# Altium PCB PrototypeSingle.PcbDoc (part 2 of 3) (continued)
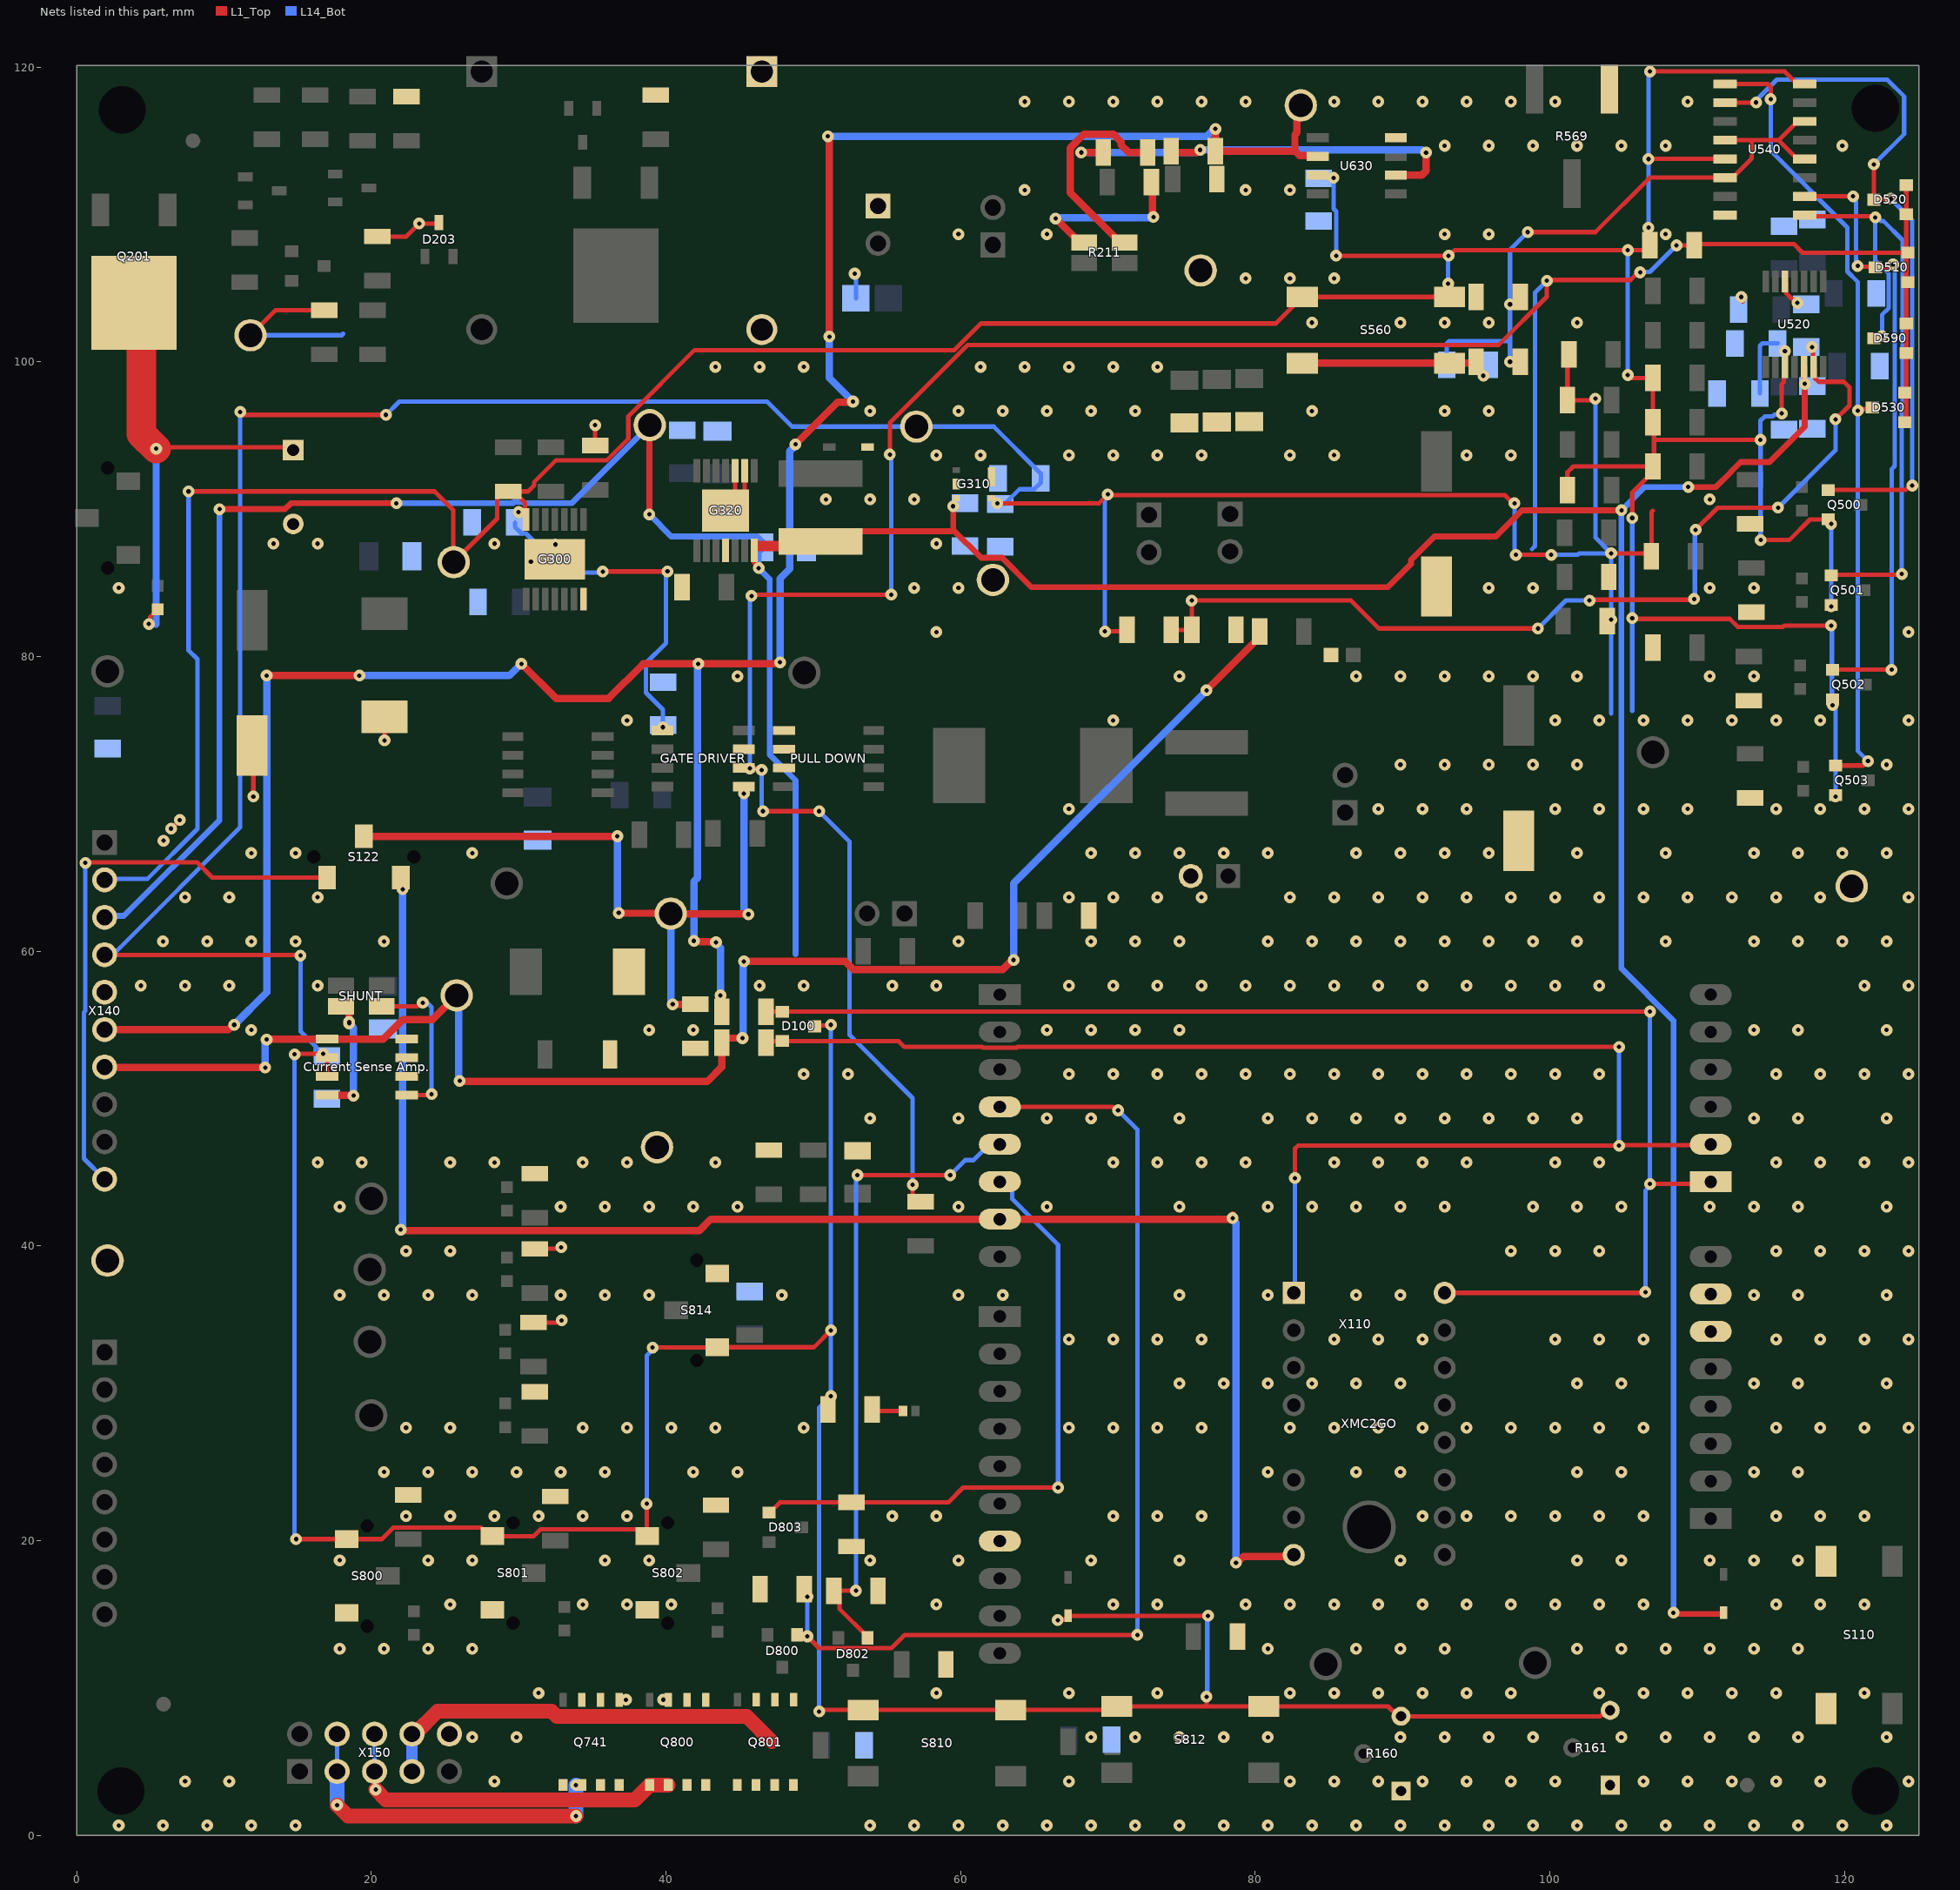
[diagram p2: the nets of this part, all layers, seen from the top]
## Part data (continued)
R100 R101 R102 R122 R204 R506 R507 R528: library part 354752, "RES / STD / 100k / 250mW / 1% / 100ppm/K / -55°C to 155°C / 1206(3216) / SMD / -", Legacy PartNumber=RES01802971, Manufacturer=Vishay, Package Imperial=1206, Package Metric=3216, Temperature max=155, Temperature min=-55, Temperature Range=Military, Tolerance Neg=1%, Voltage DC (max)=200V, Alternate View=Yes, Article Number=354752, Automotive Qualified="AEC Q200", Combined Parameters=TCR:100ppm/K;Tol.:-1%/+1%;Vdc:200V;Idc:-;P:250mW, ComponentLink1Description="Vendor WebSite", ComponentLink1URL=http://www.vishay.com, ComponentLink2Description=Datasheet, ComponentLink2URL=http://webnetprod.muc.infineon.com/PCBPortal_Prod/WorkFlows/AltiumComponent/StandardDocumentation?Versionid=354753, ComponentStatus=Released, Legacy DeviceID=RES01802971, Manufacturer Order Number=CRCW1206100KFK, Multiple Parts=No, PackageReference="1206 (3216)", Part Type=Resistor, PLMStatus=Active, QuickPick="100k / 1% / 0.25 / 1206 (3216)", RoHS Compliant=Y, Second Source allowed=Yes, Style=Single, Supplier 1=Farnell, Supplier 2=DigiKey, Supplier 3=Mouser, Symbol Type="Resistor; Single; Standard; 2 Pins", Technology="Thick Film", Tolerance Pos=1%, Type=Standard, Version Number=V01
R110 R111 R112 R200 R202 R203 R205 R209 R320 R564: library part 354562, "RES / STD / 47k / 250mW / 1% / 100ppm/K / -55°C to 155°C / 1206(3216) / SMD / -", Legacy PartNumber=RES01802933, Manufacturer=Vishay, Package Imperial=1206, Package Metric=3216, Temperature max=155, Temperature min=-55, Temperature Range=Military, Tolerance Neg=1%, Voltage DC (max)=200V, Alternate View=Yes, Article Number=354562, Automotive Qualified="AEC Q200", Combined Parameters=TCR:100ppm/K;Tol.:-1%/+1%;Vdc:200V;Idc:-;P:250mW, ComponentLink1Description="Vendor WebSite", ComponentLink1URL=http://www.vishay.com, ComponentLink2Description=Datasheet, ComponentLink2URL=http://webnetprod.muc.infineon.com/PCBPortal_Prod/WorkFlows/AltiumComponent/StandardDocumentation?Versionid=354563, ComponentStatus=Released, Legacy DeviceID=RES01802933, Manufacturer Order Number=CRCW120647K0FK, Multiple Parts=No, PackageReference="1206 (3216)", Part Type=Resistor, PLMStatus=Active, QuickPick="47k / 1% / 0.25 / 1206 (3216)", RoHS Compliant=Y, Second Source allowed=Yes, Style=Single, Supplier 1=Farnell, Supplier 2=DigiKey, Supplier 3=Mouser, Symbol Type="Resistor; Single; Standard; 2 Pins", Technology="Thick Film", Tolerance Pos=1%, Type=Standard, Version Number=V01
R160 R161: library part 647233, "RES / VAR / 10k / 500mW / 10% / 100ppm/K / -55°C to 125°C / Potentiometer, THT, 2.54 mm pitch, 3 pin, 6.60 mm L X 6.99 mm W X 15.06 mm H body / THT / -", Manufacturer=Bourns, Package Description="Potentiometer, THT, 2.54 mm pitch, 3 pin, 6.60 mm L X 6.99 mm W X 15.06 mm H body", Supplier Part Number 1=1739325, Temperature max=125, Temperature min=-55, Temperature Range=Military, Tolerance Neg=10%, Voltage DC (max)=300V, Alternate View=Yes, Application=Standard, Article Number=647233, Automotive Qualified=No, Combined Parameters=TCR:100ppm/K;Tol.:-10%/+10%;Vdc:300V;Idc:-;P:500mW, ComponentLink1Description="Vendor WebSite", ComponentLink1URL=http://www.bourns.com, ComponentLink2Description=Datasheet, ComponentLink2URL=http://webnetprod.muc.infineon.com/PCBPortal_Prod/WorkFlows/AltiumComponent/StandardDocumentation?Versionid=647234, ComponentStatus=Released, Manufacturer Order Number=3362P-1-103T_LF, Multiple Parts=No, PackageReference=THT, Part Type=Resistor, PLMStatus=Active, QuickPick="10k / 10% / 0.5 / THT", RoHS Compliant=Y, Second Source allowed=Yes, Style=Single, Supplier 1=Farnell, Supplier 2=DigiKey, Supplier 3=Mouser, Supplier Part Number 2=3362P-103TLF-ND, Supplier Part Number 3=652-3362P-1-103TLF, Symbol Type="Resistor; Single; Variable; 3 Pins", Tolerance Pos=10%, Type=Variable, Version Number=V01
R170 R400 R401 R720: library part 352637, "RES / STD / 20.5R / 250mW / 1% / 100ppm/K / -55°C to 155°C / 1206(3216) / SMD / -", Legacy PartNumber=RES01802548, Manufacturer=Vishay, Package Imperial=1206, Package Metric=3216, Temperature max=155, Temperature min=-55, Temperature Range=Military, Tolerance Neg=1%, Voltage DC (max)=200V, Alternate View=Yes, Article Number=352637, Automotive Qualified="AEC Q200", Combined Parameters=TCR:100ppm/K;Tol.:-1%/+1%;Vdc:200V;Idc:-;P:250mW, ComponentLink1Description="Vendor WebSite", ComponentLink1URL=http://www.vishay.com, ComponentLink2Description=Datasheet, ComponentLink2URL=http://webnetprod.muc.infineon.com/PCBPortal_Prod/WorkFlows/AltiumComponent/StandardDocumentation?Versionid=352638, ComponentStatus=Released, Legacy DeviceID=RES01802548, Manufacturer Order Number=CRCW120620R5FK, Multiple Parts=No, PackageReference="1206 (3216)", Part Type=Resistor, PLMStatus=Active, QuickPick="20.5R / 1% / 0.25 / 1206 (3216)", RoHS Compliant=Y, Second Source allowed=Yes, Style=Single, Supplier 1=Farnell, Supplier 2=DigiKey, Supplier 3=Mouser, Symbol Type="Resistor; Single; Standard; 2 Pins", Technology="Thick Film", Tolerance Pos=1%, Type=Standard, Version Number=V01
R210 R212 R220 R301 R504 R510 R511 R551 R552 R553 R554 R560 R721 R814: library part 354312, "RES / STD / 17.8k / 250mW / 1% / 100ppm/K / -55°C to 155°C / 1206(3216) / SMD / -", Legacy PartNumber=RES01802883, Manufacturer=Vishay, Package Imperial=1206, Package Metric=3216, Temperature max=155, Temperature min=-55, Temperature Range=Military, Tolerance Neg=1%, Voltage DC (max)=200V, Alternate View=Yes, Article Number=354312, Automotive Qualified="AEC Q200", Combined Parameters=TCR:100ppm/K;Tol.:-1%/+1%;Vdc:200V;Idc:-;P:250mW, ComponentLink1Description="Vendor WebSite", ComponentLink1URL=http://www.vishay.com, ComponentLink2Description=Datasheet, ComponentLink2URL=http://webnetprod.muc.infineon.com/PCBPortal_Prod/WorkFlows/AltiumComponent/StandardDocumentation?Versionid=354313, ComponentStatus=Released, Legacy DeviceID=RES01802883, Manufacturer Order Number=CRCW120617K8FK, Multiple Parts=No, PackageReference="1206 (3216)", Part Type=Resistor, PLMStatus=Active, QuickPick="17.8k / 1% / 0.25 / 1206 (3216)", RoHS Compliant=Y, Second Source allowed=Yes, Style=Single, Supplier 1=Farnell, Supplier 2=DigiKey, Supplier 3=Mouser, Symbol Type="Resistor; Single; Standard; 2 Pins", Technology="Thick Film", Tolerance Pos=1%, Type=Standard, Version Number=V01
R211 SHUNT: library part 644055, "RES / STD / 15mR / 500mW / 1% / 75ppm/K / -55°C to 155°C / 1206 (3216) / SMD / -", Manufacturer=Ohmite, Package Description="Resistor, SMD, 4 pin, 3.00 mm L X 1.60 mm W X 0.65 mm H body", Supplier Part Number 1=3274221, Temperature max=155, Temperature min=-55, Temperature Range=Military, Tolerance Neg=1%, Alternate View=Yes, Application=Precision, Article Number=644055, Automotive Qualified=No, Combined Parameters=TCR:75ppm/K;Tol.:-1%/+1%;Vdc:-;Idc:-;P:500mW, ComponentLink1Description="Vendor WebSite", ComponentLink1URL=http://www.ohmite.com, ComponentLink2Description=Datasheet, ComponentLink2URL=http://webnetprod.muc.infineon.com/PCBPortal_Prod/WorkFlows/AltiumComponent/StandardDocumentation?Versionid=644056, ComponentStatus=Released, Manufacturer Order Number=L4T12FR015FER, Multiple Parts=No, PackageReference="1206 (3216)", Part Type=Resistor, PLMStatus=Active, QuickPick="15mR / 1% / 0.5 / 1206 (3216)", RoHS Compliant=Y, Second Source allowed=Yes, Style="4-Terminal (Shunt)", Supplier 1=Farnell, Supplier 2=DigiKey, Supplier 3=Mouser, Supplier Part Number 2=273-L4T12FR015FERCT-ND, Supplier Part Number 3=284-L4T12FR015FER, Symbol Type="Resistor; 4-Terminal (Shunt); Standard; 4 Pins", Technology="Thick Film", Tolerance Pos=1%, Type=Standard, Version Number=V01
R214: library part 355322, "RES / STD / 1MEG / 250mW / 1% / 100ppm/K / -55°C to 155°C / 1206(3216) / SMD / -", Legacy PartNumber=RES01803085, Manufacturer=Vishay, Package Imperial=1206, Package Metric=3216, Temperature max=155, Temperature min=-55, Temperature Range=Military, Tolerance Neg=1%, Voltage DC (max)=200V, Alternate View=Yes, Article Number=355322, Automotive Qualified="AEC Q200", Combined Parameters=TCR:100ppm/K;Tol.:-1%/+1%;Vdc:200V;Idc:-;P:250mW, ComponentLink1Description="Vendor WebSite", ComponentLink1URL=http://www.vishay.com, ComponentLink2Description=Datasheet, ComponentLink2URL=http://webnetprod.muc.infineon.com/PCBPortal_Prod/WorkFlows/AltiumComponent/StandardDocumentation?Versionid=355323, ComponentStatus=Released, Legacy DeviceID=RES01803085, Manufacturer Order Number=CRCW12061M00FK, Multiple Parts=No, PackageReference="1206 (3216)", Part Type=Resistor, PLMStatus=Active, QuickPick="1MEG / 1% / 0.25 / 1206 (3216)", RoHS Compliant=Y, Second Source allowed=Yes, Style=Single, Supplier 1=Farnell, Supplier 2=DigiKey, Supplier 3=Mouser, Symbol Type="Resistor; Single; Standard; 2 Pins", Technology="Thick Film", Tolerance Pos=1%, Type=Standard, Version Number=V01
R219: "Resistor", Manufacturer_Name="ROHM Semiconductor", Mouser Part Number=755-PMR18EZPJV1L0, Datasheet Link=https://www.mouser.cn/datasheet/2/348/pmr_e-1919321.pdf, Height=0.59mm, Manufacturer_Part_Number=PMR18EZPJV1L0, Mouser Price/Stock=https://www.mouser.co.uk/ProductDetail/ROHM-Semiconductor/PMR18EZPJV1L0?qs=MyNHzdoqoQKLzWdQPR00Ww%3D%3D
R221 R302 R303 R508 R722 R800 R801 R802 R803 R804 R805 R806: library part 353792, "RES / STD / 2.2k / 250mW / 1% / 100ppm/K / -55°C to 155°C / 1206(3216) / SMD / -", Legacy PartNumber=RES01802779, Manufacturer=Vishay, Package Imperial=1206, Package Metric=3216, Temperature max=155, Temperature min=-55, Temperature Range=Military, Tolerance Neg=1%, Voltage DC (max)=200V, Alternate View=Yes, Article Number=353792, Automotive Qualified="AEC Q200", Combined Parameters=TCR:100ppm/K;Tol.:-1%/+1%;Vdc:200V;Idc:-;P:250mW, ComponentLink1Description="Vendor WebSite", ComponentLink1URL=http://www.vishay.com, ComponentLink2Description=Datasheet, ComponentLink2URL=http://webnetprod.muc.infineon.com/PCBPortal_Prod/WorkFlows/AltiumComponent/StandardDocumentation?Versionid=353793, ComponentStatus=Released, Legacy DeviceID=RES01802779, Manufacturer Order Number=CRCW12062K20FK, Multiple Parts=No, PackageReference="1206 (3216)", Part Type=Resistor, PLMStatus=Active, QuickPick="2.2k / 1% / 0.25 / 1206 (3216)", RoHS Compliant=Y, Second Source allowed=Yes, Style=Single, Supplier 1=Farnell, Supplier 2=DigiKey, Supplier 3=Mouser, Symbol Type="Resistor; Single; Standard; 2 Pins", Technology="Thick Film", Tolerance Pos=1%, Type=Standard, Version Number=V01
R500 R501 R502 R503 R509 R527 R532 R561 R562 R565 R810 R812: library part 353992, "RES / STD / 4.7k / 250mW / 1% / 100ppm/K / -55°C to 155°C / 1206(3216) / SMD / -", Legacy PartNumber=RES01802819, Manufacturer=Vishay, Package Imperial=1206, Package Metric=3216, Temperature max=155, Temperature min=-55, Temperature Range=Military, Tolerance Neg=1%, Voltage DC (max)=200V, Alternate View=Yes, Article Number=353992, Automotive Qualified="AEC Q200", Combined Parameters=TCR:100ppm/K;Tol.:-1%/+1%;Vdc:200V;Idc:-;P:250mW, ComponentLink1Description="Vendor WebSite", ComponentLink1URL=http://www.vishay.com, ComponentLink2Description=Datasheet, ComponentLink2URL=http://webnetprod.muc.infineon.com/PCBPortal_Prod/WorkFlows/AltiumComponent/StandardDocumentation?Versionid=353993, ComponentStatus=Released, Legacy DeviceID=RES01802819, Manufacturer Order Number=CRCW12064K70FK, Multiple Parts=No, PackageReference="1206 (3216)", Part Type=Resistor, PLMStatus=Active, QuickPick="4.7k / 1% / 0.25 / 1206 (3216)", RoHS Compliant=Y, Second Source allowed=Yes, Style=Single, Supplier 1=Farnell, Supplier 2=DigiKey, Supplier 3=Mouser, Symbol Type="Resistor; Single; Standard; 2 Pins", Technology="Thick Film", Tolerance Pos=1%, Type=Standard, Version Number=V01
R505 R632 R634 R811 R813: library part 354647, "RES / STD / 64.9k / 250mW / 1% / 100ppm/K / -55°C to 155°C / 1206(3216) / SMD / -", Legacy PartNumber=RES01802950, Manufacturer=Vishay, Package Imperial=1206, Package Metric=3216, Temperature max=155, Temperature min=-55, Temperature Range=Military, Tolerance Neg=1%, Voltage DC (max)=200V, Alternate View=Yes, Article Number=354647, Automotive Qualified="AEC Q200", Combined Parameters=TCR:100ppm/K;Tol.:-1%/+1%;Vdc:200V;Idc:-;P:250mW, ComponentLink1Description="Vendor WebSite", ComponentLink1URL=http://www.vishay.com, ComponentLink2Description=Datasheet, ComponentLink2URL=http://webnetprod.muc.infineon.com/PCBPortal_Prod/WorkFlows/AltiumComponent/StandardDocumentation?Versionid=354648, ComponentStatus=Released, Legacy DeviceID=RES01802950, Manufacturer Order Number=CRCW120664K9FK, Multiple Parts=No, PackageReference="1206 (3216)", Part Type=Resistor, PLMStatus=Active, QuickPick="64.9k / 1% / 0.25 / 1206 (3216)", RoHS Compliant=Y, Second Source allowed=Yes, Style=Single, Supplier 1=Farnell, Supplier 2=DigiKey, Supplier 3=Mouser, Symbol Type="Resistor; Single; Standard; 2 Pins", Technology="Thick Film", Tolerance Pos=1%, Type=Standard, Version Number=V01
R569: library part 630020, "RES / VAR / 10k / 500mW / 10% / 100ppm/K / -55°C to 125°C /  3 pin, 7.04 mm L X 6.71 mm W X 5.84 mm H Body / SMD / -", Manufacturer=Bourns, Package Description="Potentiometer, SMD; 3 pin, 7.04 mm L X 6.71 mm W X 5.84 mm H Body", Supplier Part Number 1=1696060, Temperature max=125, Temperature min=-55, Temperature Range=Military, Tolerance Neg=10%, Alternate View=Yes, Application=Standard, Article Number=630020, Automotive Qualified=No, Combined Parameters=TCR:100ppm/K;Tol.:-10%/+10%;Vdc:-;Idc:-;P:500mW, ComponentLink1Description="Vendor WebSite", ComponentLink1URL=http://www.bourns.com, ComponentLink2Description=Datasheet, ComponentLink2URL=http://webnetprod.muc.infineon.com/PCBPortal_Prod/WorkFlows/AltiumComponent/StandardDocumentation?Versionid=630021, ComponentStatus=Released, Manufacturer Order Number=3361P-1-103GLF, Multiple Parts=No, PackageReference=SMD, Part Type=Resistor, PLMStatus=Active, QuickPick="10k / 10% / 0.5 / SMD", RoHS Compliant=Y, Second Source allowed=Yes, Style=Single, Supplier 1=Farnell, Supplier 2=DigiKey, Supplier 3=Mouser, Supplier Part Number 2=3361P-103GLFCT-ND, Supplier Part Number 3=652-3361P-1-103GLF, Symbol Type="Resistor; Single; Variable; 3 Pins", Tolerance Pos=10%, Type=Variable, Version Number=V01
R631 R633: library part 353672, "RES / STD / 1.3k / 250mW / 1% / 100ppm/K / -55°C to 155°C / 1206(3216) / SMD / -", Legacy PartNumber=RES01802755, Manufacturer=Vishay, Package Imperial=1206, Package Metric=3216, Temperature max=155, Temperature min=-55, Temperature Range=Military, Tolerance Neg=1%, Voltage DC (max)=200V, Alternate View=Yes, Article Number=353672, Automotive Qualified="AEC Q200", Combined Parameters=TCR:100ppm/K;Tol.:-1%/+1%;Vdc:200V;Idc:-;P:250mW, ComponentLink1Description="Vendor WebSite", ComponentLink1URL=http://www.vishay.com, ComponentLink2Description=Datasheet, ComponentLink2URL=http://webnetprod.muc.infineon.com/PCBPortal_Prod/WorkFlows/AltiumComponent/StandardDocumentation?Versionid=353673, ComponentStatus=Released, Legacy DeviceID=RES01802755, Manufacturer Order Number=CRCW12061K30FK, Multiple Parts=No, PackageReference="1206 (3216)", Part Type=Resistor, PLMStatus=Active, QuickPick="1.3k / 1% / 0.25 / 1206 (3216)", RoHS Compliant=Y, Second Source allowed=Yes, Style=Single, Supplier 1=Farnell, Supplier 2=DigiKey, Supplier 3=Mouser, Symbol Type="Resistor; Single; Standard; 2 Pins", Technology="Thick Film", Tolerance Pos=1%, Type=Standard, Version Number=V01
S110 S560 S810 S812: library part 380147, "Pushbutton Tactile Switch, Single Pole Single Throw, 4 Pins", Legacy PartNumber=CON01500305, Manufacturer=Schurter, Package Description="SMD Switch, 6.00mm L X 6.00mm W X 4.3mm H body", Supplier Part Number 1=1217763, Temperature max=70, Temperature min=-20, Temperature Range=Commercial, Voltage DC (max)=na, Article Number=380147, ComponentLink1Description="Vendor WebSite", ComponentLink1URL=http://www.schurter.com.sg/, ComponentLink2Description=Datasheet, ComponentLink2URL=http://webnetprod.muc.infineon.com/PCBPortal_Prod/WorkFlows/AltiumComponent/StandardDocumentation?Versionid=380148, ComponentStatus=Released, Legacy DeviceID=SCH_1301.9314, Manufacturer Order Number=1301.9314, Part Type="Electro Mechanic", PLMStatus=Active, RoHS Compliant=Y, Second Source allowed=Yes, Supplier 1=Farnell, Supplier 2=DigiKey, Supplier 3=Mouser, Supplier Part Number 2=1301.9314-ND, Supplier Part Number 3=693-1301.9314, Symbol Type="Tactile Switch, Spring Return, Single Pole Single Throw - Normally Open, 4 Pins", Version Number=V01
S122 S200 S800 S801 S802 S814: library part 650099, "Slid Switch, 12V, 200mA", Manufacturer="NIDEC COPAL ELECTRONICS, Inc.", Package Description="Switch, SMD, 3 Pins, 3.50 mm W X 8.50 mm L X 6.10 mm H body", Supplier Part Number 1=2854744, Temperature max=85, Temperature min=-40, Temperature Range=Industrial, Voltage DC (max)=na, Application=Power, Article Number=650099, Automotive Qualified=No, ComponentLink1Description="Vendor WebSite", ComponentLink1URL=www.copal-electronics.com/, ComponentLink2Description=Datasheet, ComponentLink2URL=http://webnetprod.muc.infineon.com/PCBPortal_Prod/WorkFlows/AltiumComponent/StandardDocumentation?Versionid=650100, ComponentStatus=Released, Manufacturer Order Number=CL-SB-12A-01T, Part Type="Electro Mechanic", PLMStatus=Active, RoHS Compliant=Y, Second Source allowed=Yes, Supplier 1=Farnell, Supplier 2=DigiKey, Supplier 3=Mouser, Supplier Part Number 2=563-1314-1-ND, Supplier Part Number 3=229-CL-SB-12A-01T, Symbol Type="Switch, 2 Change Over 1 3, 3 Pins", Version Number=V00
TP100 TP101 TP102 TP103 TP104 TP105: library part 382410, "PC Test Point-Multipurpose THT, Black", Legacy PartNumber=CON01500530, Manufacturer="Keystone Electronics Corp.", Package Description="Test Point, 1.78 mm Lead Width, Round, 3.17 mm Dia X 8.28 mm H body", Supplier Part Number 1=2431148, Temperature max=0, Temperature Range=Military, Voltage DC (max)=na, Alternate View=Yes, Application=Test, Article Number=382410, Automotive Qualified=No, Combined Parameters="Board-to-Cable None (onboard);1x1;Mounting:THT;Orient:0° (vertical);Shielded:No", ComponentLink1Description="Vendor WebSite", ComponentLink1URL=http://www.keyelco.com/, ComponentLink2Description=Datasheet, ComponentLink2URL=http://webnetprod.muc.infineon.com/PCBPortal_Prod/WorkFlows/AltiumComponent/StandardDocumentation?Versionid=382411, ComponentStatus=Released, Legacy DeviceID=KEY_5011, Manufacturer Order Number=5011, Multiple Parts=No, Part Type=Connector, PLMStatus=Active, QuickPick="0° (vertical) / Board-to-Cable", RoHS Compliant=Y, Second Source allowed=Yes, Style="Not Applicable", Supplier 1=Farnell, Supplier 2=DigiKey, Supplier 3=Mouser, Supplier Part Number 2=36-5011-ND, Supplier Part Number 3=534-5011, Symbol Type="Connector, 1 Lead, Female", Temperature min=0, Type=Board-to-Cable, Version Number=V01
TP211 TP300 TP310 TP320 TP400 TP532 TP600 TP630 UserPot1 UserPot2 VOUT "VS BUCK" X801 X805 X806 X808: library part 382400, "PC Test Point-Multipurpose THT, Red", Legacy PartNumber=CON01500529, Manufacturer="Keystone Electronics Corp.", Package Description="Test Point, 1.78 mm Lead Width, Round, 3.17 mm Dia X 8.28 mm H body", Supplier Part Number 1=2301288, Temperature max=0, Temperature Range=Military, Voltage DC (max)=na, Alternate View=Yes, Application=Test, Article Number=382400, Automotive Qualified=No, Combined Parameters="Board-to-Cable None (onboard);1x1;Mounting:THT;Orient:0° (vertical);Shielded:No", ComponentLink1Description="Vendor WebSite", ComponentLink1URL=http://www.keyelco.com/, ComponentLink2Description=Datasheet, ComponentLink2URL=http://webnetprod.muc.infineon.com/PCBPortal_Prod/WorkFlows/AltiumComponent/StandardDocumentation?Versionid=382401, ComponentStatus=Released, Legacy DeviceID=KEY_5010, Manufacturer Order Number=5010, Multiple Parts=No, Part Type=Connector, PLMStatus=Active, QuickPick="0° (vertical) / Board-to-Cable", RoHS Compliant=Y, Second Source allowed=Yes, Style="Not Applicable", Supplier 1=Farnell, Supplier 2=DigiKey, Supplier 3=Mouser, Supplier Part Number 2=36-5010-ND, Supplier Part Number 3=534-5010, Symbol Type="Connector, 1 Lead, Female", Temperature min=0, Type=Board-to-Cable, Version Number=V01
U520: library part 409035, "Quad Differential Comparator", Legacy PartNumber=IC02600564, Manufacturer="Texas Instruments", Supplier Part Number 1=2436009, Temperature max=0, Temperature Range=Military, Voltage DC (max)=na, Alternate View=Yes, Article Number=409035, Automotive Qualified=No, Combined Parameters=Res.:-;Fmax:-, ComponentLink1Description="Vendor WebSite", ComponentLink1URL=http://www.ti.com, ComponentLink2Description=Datasheet, ComponentLink2URL=http://webnetprod.muc.infineon.com/PCBPortal_Prod/WorkFlows/AltiumComponent/StandardDocumentation?Versionid=409036, ComponentStatus=Released, Legacy DeviceID=TI_LM339, Manufacturer Order Number=LM339PWR, PackageReference="TSSOP-14 (PW)", Part Type="Analog Parts", PLMStatus=Active, QuickPick="TSSOP-14 (PW)", Second Source allowed=Yes, Supplier 1=Farnell, Supplier 2=DigiKey, Supplier 3=Mouser, Supplier Part Number 2=296-6607-2-ND, Supplier Part Number 3=595-LM339PWR, Symbol Type="Quad Differential Comparator", Temperature min=0, Version Number=V01
U540: library part 648079, "Quad R/S latch with 3-state outputs", Manufacturer=Nexperia, Package Description="SOIC,1.27mm pitch;16 pin,3.90mm W X 9.90mm L X 1.75mm H body", Temperature max=85, Temperature min=-40, Temperature Range=Industrial, Voltage DC (max)=na, Alternate View=No, Article Number=648079, Automotive Qualified=No, Combined Parameters="- Digital;Vdc min/max:3V/15V;Iout:2.4mA;Fmax:-", ComponentLink1Description="Vendor WebSite", ComponentLink1URL=http://www.nexperia.com, ComponentLink2Description=Datasheet, ComponentLink2URL=http://webnetprod.muc.infineon.com/PCBPortal_Prod/WorkFlows/AltiumComponent/StandardDocumentation?Versionid=648080, ComponentStatus=Released, Legacy DeviceID=NEX_HEF4043BT,653, Manufacturer Order Number=HEF4043BT,653, Multiple Parts=No, PackageReference=SO-16, Part Type="Integrated Circuit", PLMStatus=Active, QuickPick=SO-16, RoHS Compliant=Y, Second Source allowed=Yes, Supplier 1=Farnell, Supplier 2=DigiKey, Supplier 3=Mouser, Supplier Part Number 2=1727-1799-1-ND, Supplier Part Number 3=771-HEF4043BT653, Symbol Type="Quad R/S latch with 3-state outputs", Type=Digital, Version Number=V00
U630: library part 699374, Manufacturer="Texas Instruments", Package Description="SOIC,1.27mm pitch;8 pin,3.895mm W X 4.905mm L X 1.75mm H body", Supplier Part Number 1=3117357, Temperature max=125, Temperature min=-40, Temperature Range=Automotive, Voltage DC (max)=na, Alternate View=Yes, Application="Power Electronics", Article Number=699374, Automotive Qualified=No, Combined Parameters=Res.:-;Fmax:10MHz, ComponentLink1Description="Vendor WebSite", ComponentLink1URL=http://www.ti.com, ComponentLink2Description=Datasheet, ComponentLink2URL=http://webnetprod.muc.infineon.com/PCBPortal_Prod/WorkFlows/AltiumComponent/StandardDocumentation?Versionid=699375, ComponentStatus=Released, Legacy DeviceID=TI_OPA197IDR, Manufacturer Order Number=OPA197IDR, Multiple Parts=Yes, PackageReference=SOIC, Part Type="Analog Parts", PLMStatus=Active, QuickPick="Amplifier / SOIC", RoHS Compliant=Y, Second Source allowed=Yes, Supplier 1=Farnell, Supplier 2=DigiKey, Supplier 3=Mouser, Supplier Part Number 2=296-43866-1-ND, Supplier Part Number 3=595-OPA197IDR, Symbol Type="High-Precision, Low-Noise, Rail-to-Rail Output, JFET Op Amp", Type=Amplifier, Version Number=V00
X100: library part 377341, "Banana Socket, Red, 17.5mm Pitch", Legacy PartNumber=CON01500041, Manufacturer="Hirschmann Test & Measurement", Manufacturer Component Status=Active, Package Description="Banana Jack, 2 pins, 17.5mm Pitch, 21mm L X 7.5mm W X 10.5mm H body", Supplier Part Number 1=497332, Temperature max=85, Temperature min=-25, Temperature Range=Military, Voltage DC (max)=na, Article Number=377341, Combined Parameters="Board-to-Cable Socket (female);2x1;Mounting:THT;Orient:90° (right angle);Shielded:No", ComponentLink1Description="Vendor WebSite", ComponentLink1URL=http://www.sks-kontakt.de/, ComponentLink2Description=Datasheet, ComponentLink2URL=http://webnetprod.muc.infineon.com/PCBPortal_Prod/WorkFlows/AltiumComponent/StandardDocumentation?Versionid=377342, ComponentStatus=Released, Legacy DeviceID="HTM_973 582- 101", Manufacturer Order Number="973 582-101", Part Type=Connector, PLMStatus=Active, QuickPick="90° (right angle) / Board-to-Cable", RoHS Compliant=N, Second Source allowed=Yes, Style=Banana, Supplier 1=Farnell, Supplier 2=DigiKey, Supplier 3=Mouser, Supplier Part Number 3=845-973582101, Symbol Type="Banana Socket 2 Pins", Type=Board-to-Cable, Version Number=V01
X101: library part 377401, "Banana Socket, black, 17.5mm Pitch", Legacy PartNumber=CON01500045, Manufacturer="Hirschmann Test & Measurement", Manufacturer Component Status=Active, Package Description="Banana Jack, 2 pins, 17.5mm Pitch, 21mm L X 7.5mm W X 10.5mm H body", Supplier Part Number 1=497344, Temperature max=85, Temperature min=-25, Temperature Range=Military, Voltage DC (max)=na, Article Number=377401, Automotive Qualified=No, Combined Parameters="Board-to-Cable Socket (female);-x-;Mounting:THT;Orient:90° (right angle);Shielded:No", ComponentLink1Description="Vendor WebSite", ComponentLink1URL=http://www.sks-kontakt.de/, ComponentLink2Description=Datasheet, ComponentLink2URL=http://webnetprod.muc.infineon.com/PCBPortal_Prod/WorkFlows/AltiumComponent/StandardDocumentation?Versionid=377402, ComponentStatus=Released, Legacy DeviceID="HTM_973 582- 100", Manufacturer Order Number="973 582-100", Part Type=Connector, PLMStatus=Active, QuickPick="90° (right angle) / Board-to-Cable", RoHS Compliant=N, Second Source allowed=Yes, Style=Banana, Supplier 1=Farnell, Supplier 2=DigiKey, Supplier 3=Mouser, Supplier Part Number 3=845-973582100, Symbol Type="Banana Socket 2 Pins", Type=Board-to-Cable, Version Number=V01
X105: library part 433601, Legacy PartNumber=CON01500959, Manufacturer="Infineon Technologies", Package Description="Solder Bridge 2 Pins, 0.7X1.299mm Pad, 1.6mm L X 1.2mm W body", Temperature max=0, Temperature Range=Military, Voltage DC (max)=na, Alternate View=Yes, Article Number=433601, Automotive Qualified=No, Combined Parameters="- None (onboard);2x1;Mounting:SMT;Orient:None (onboard);Shielded:No", ComponentLink1Description="Vendor WebSite", ComponentLink1URL=https://www.infineon.com/, ComponentLink2Description=Datasheet, ComponentStatus=Released, Legacy DeviceID="IFX_Solder Jumper 2 Pins", Manufacturer Order Number="Solder Jumper 2 Pins", Multiple Parts=No, Part Type=Connector, PLMStatus=Active, QuickPick="None (onboard)", RoHS Compliant=N, Second Source allowed=Yes, Style="Not Applicable", Supplier 1=Farnell, Supplier 2=DigiKey, Supplier 3=Mouser, Symbol Type="Solder Jumper 2 Pins", Temperature min=0, Version Number=V01
X110: library part 644888, "Arduino Uno is a microcontroller board based on the ATmega328P", Manufacturer="Infineon Technologies", Package Description="Arduino-Uno, THT, 32 Pin, 68.58 mm L X 53.34 mm W X 8.64 mm H body", Temperature max=85, Temperature min=-40, Temperature Range=Industrial, Voltage DC (max)=na, Alternate View=Yes, Article Number=644888, Automotive Qualified=No, Combined Parameters="Board-to-Board Socket (female);-x-;Mounting:THT;Orient:0° (vertical);Shielded:-", ComponentLink1Description="Vendor WebSite", ComponentLink1URL=https://www.infineon.com/, ComponentLink2Description=Datasheet, ComponentStatus=Released, Legacy DeviceID=Infineon_Arduino-Uno, Manufacturer Order Number=Arduino-Uno, Multiple Parts=Yes, PackageReference=THT, Part Type=Connector, PLMStatus=Active, QuickPick="0° (vertical) / Board-to-Board", RoHS Compliant=N, Second Source allowed=Yes, Supplier 1=Farnell, Supplier 2=DigiKey, Supplier 3=Mouser, Symbol Type="Arduino Uno is a microcontroller board based on the ATmega328P", Type=Board-to-Board, Version Number=V01
X140: library part 382944, "Through hole .025 SQ Post Header, 2.54mm pitch, 10 pin, vertical, single row", Legacy PartNumber=CON01500578, Manufacturer=Samtec, Package Description="Header,vertical,2.54mm pitch;0.64mm lead width,10 pins,1 row,10 pins per row,25.40mm L X 2.54mm W X 8.636mm H body", Supplier Part Number 1=2035612, Temperature max=125, Temperature min=-55, Temperature Range=Military, Voltage DC (max)=na, Article Number=382944, Automotive Qualified=No, Combined Parameters="Board-to-Board Header (male);10x1;Mounting:THT;Orient:0° (vertical);Shielded:No", ComponentLink1Description="Vendor WebSite", ComponentLink1URL=http://www.samtec.com/, ComponentLink2Description=Datasheet, ComponentLink2URL=http://webnetprod.muc.infineon.com/PCBPortal_Prod/WorkFlows/AltiumComponent/StandardDocumentation?Versionid=382945, ComponentStatus=Released, Legacy DeviceID=SAM_TSW-110-07-L-S, Manufacturer Order Number=TSW-110-07-L-S, Part Type=Connector, PLMStatus=Active, QuickPick="0° (vertical) / Board-to-Board", RoHS Compliant=Y, Second Source allowed=Yes, Style=Strip, Supplier 1=Farnell, Supplier 2=DigiKey, Supplier 3=Mouser, Supplier Part Number 2=SAM1031-10-ND, Symbol Type="Header 10 pins", Type=Board-to-Board, Version Number=V01
X150: library part 382934, "Through hole .025 SQ Post Header, 2.54mm pitch, 8 pin, vertical, single row", Legacy PartNumber=CON01500577, Manufacturer=Samtec, Package Description="Header,vertical,2.54mm pitch;0.64mm lead width,8 pins,1 row,8 pins per row,20.32mm L X 2.54mm W X 8.636mm H body", Supplier Part Number 1=2035610, Temperature max=125, Temperature min=-55, Temperature Range=Military, Voltage DC (max)=na, Article Number=382934, Automotive Qualified=No, Combined Parameters="Board-to-Board Header (male);8x1;Mounting:THT;Orient:0° (vertical);Shielded:No", ComponentLink1Description="Vendor WebSite", ComponentLink1URL=http://www.samtec.com/, ComponentLink2Description=Datasheet, ComponentLink2URL=http://webnetprod.muc.infineon.com/PCBPortal_Prod/WorkFlows/AltiumComponent/StandardDocumentation?Versionid=382935, ComponentStatus=Released, Legacy DeviceID=SAM_TSW-108-07-L-S, Manufacturer Order Number=TSW-108-07-L-S, Part Type=Connector, PLMStatus=Active, QuickPick="0° (vertical) / Board-to-Board", RoHS Compliant=Y, Second Source allowed=Yes, Style=Strip, Supplier 1=Farnell, Supplier 2=DigiKey, Supplier 3=Mouser, Supplier Part Number 2=SAM1031-08-ND, Symbol Type="Header 8 Pins", Type=Board-to-Board, Version Number=V01
X150: library part 638630, "WR-BHD Male Box Header, 2.54mm pitch, 10 pin, Vertical, Double row", Manufacturer="Wurth Elektronik", Package Description="Connector, THT, 2.54mm Pitch; 10 Pins, 9.10 mm L X 20.36 mm W X 9.25 mm H body", Supplier Part Number 1=1642019, Temperature max=105, Temperature min=-40, Temperature Range=Industrial, Voltage DC (max)=na, Article Number=638630, Automotive Qualified=No, Combined Parameters="Board-to-Board/Cable Header (male);5x2;Mounting:THT;Orient:0° (vertical);Shielded:No", ComponentLink1Description="Vendor WebSite", ComponentLink1URL=http://www.we-online.com, ComponentLink2Description=Datasheet, ComponentLink2URL=http://webnetprod.muc.infineon.com/PCBPortal_Prod/WorkFlows/AltiumComponent/StandardDocumentation?Versionid=638631, ComponentStatus=Released, Legacy DeviceID=WE_61201021621, Manufacturer Order Number=61201021621, PackageReference=THT, Part Type=Connector, PLMStatus=Active, QuickPick="0° (vertical) / Board-to-Board/Cable", RoHS Compliant=Y, Second Source allowed=Yes, Style=Strip, Supplier 1=Farnell, Supplier 2=DigiKey, Supplier 3=Mouser, Supplier Part Number 2=732-2094-ND, Supplier Part Number 3=710-61201021621, Type=Board-to-Board/Cable, Version Number=V01